# KiCad board TAKO_i3.kicad_pcb
title: zensai65_TAKO_i3; rev: v1; company: shoonie
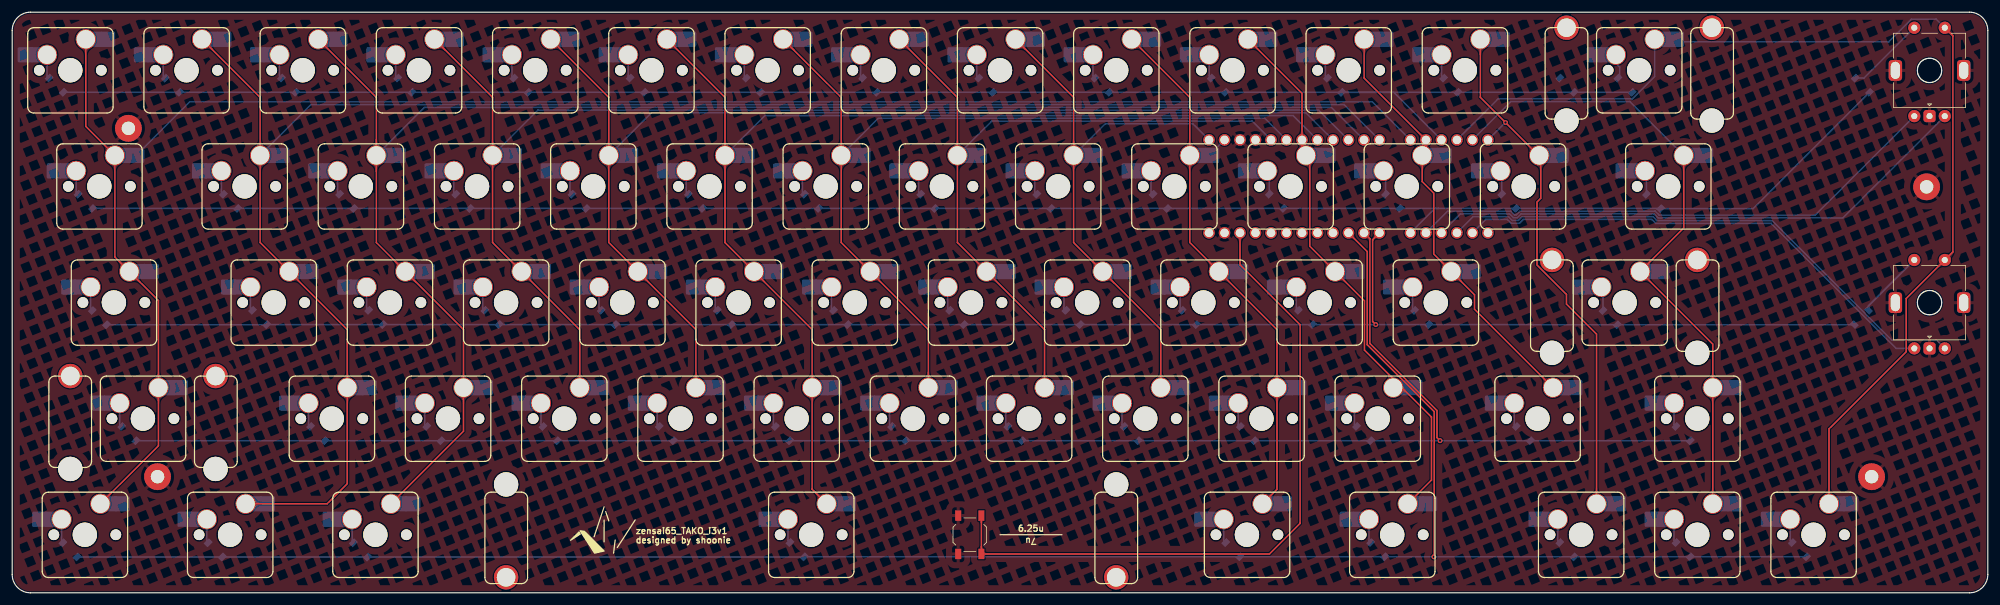
[diagram p0: board, top side]
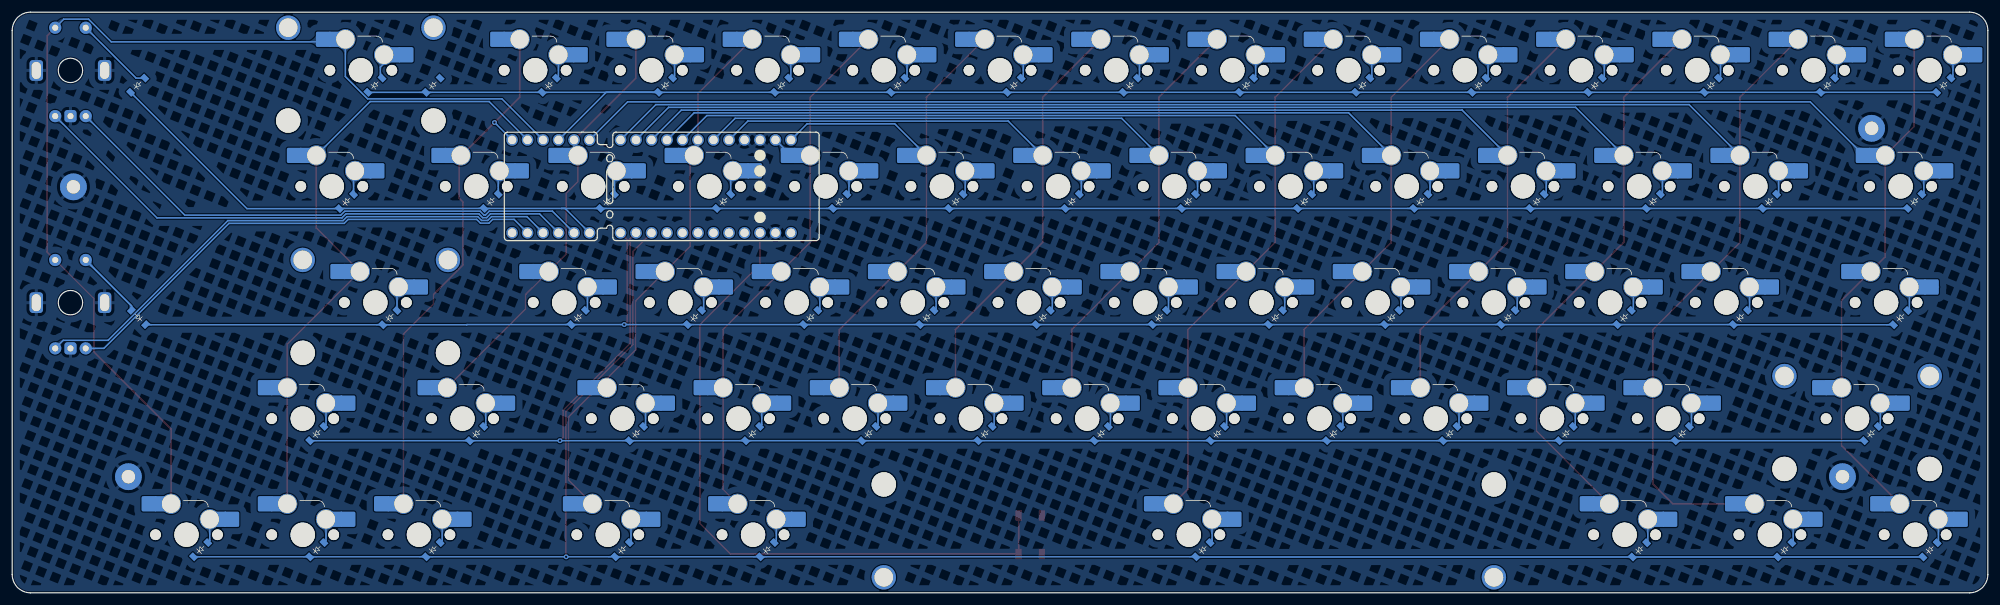
[diagram p1: board, bottom side, seen from below]

Outline 323.85 x 95.25 mm; copper layers: Top, Bottom. Coordinates in mm from the lower left corner of the outline.
Outline path: circle c314.3,85.7 r2 ; circle c314.3,47.6 r2 ; 0,92.25 0,3 arc(0.88,0.88) 3,0 320.85,0 arc(322.97,0.88) 323.85,3 323.85,92.25 arc(322.97,94.37) 320.85,95.25 3,95.25 arc(0.88,94.37) 0,92.25
Stack: Top 0.035mm / dielectric 1.51mm FR4 er 4.5 / Bottom 0.035mm

## Placement (name value [footprint] x y rotation side)
D1  D_Small  [D_SOD-123_CLEAN]  7.14 83.34 315 bottom
D2  D_Small  [D_SOD-123_CLEAN]  26.19 83.34 315 bottom
D3  D_Small  [D_SOD-123_CLEAN]  45.24 83.34 315 bottom
D4  D_Small  [D_SOD-123_CLEAN]  64.29 83.34 315 bottom
D5  D_Small  [D_SOD-123_CLEAN]  83.34 83.34 315 bottom
D6  D_Small  [D_SOD-123_CLEAN]  102.39 83.34 315 bottom
D7  D_Small  [D_SOD-123_CLEAN]  121.44 83.34 315 bottom
D8  D_Small  [D_SOD-123_CLEAN]  140.49 83.34 315 bottom
D9  D_Small  [D_SOD-123_CLEAN]  159.54 83.34 315 bottom
D10  D_Small  [D_SOD-123_CLEAN]  178.59 83.34 315 bottom
D11  D_Small  [D_SOD-123_CLEAN]  197.64 83.34 315 bottom
D12  D_Small  [D_SOD-123_CLEAN]  216.69 83.34 315 bottom
D13  D_Small  [D_SOD-123_CLEAN]  235.74 83.34 315 bottom
D14  D_Small  [D_SOD-123_CLEAN]  254.79 83.34 315 bottom
D15  D_Small  [D_SOD-123_CLEAN]  264.32 83.34 315 bottom
D17  D_Small  [D_SOD-123_CLEAN]  11.91 64.29 315 bottom
D18  D_Small  [D_SOD-123_CLEAN]  35.72 64.29 315 bottom
D19  D_Small  [D_SOD-123_CLEAN]  54.77 64.29 315 bottom
D20  D_Small  [D_SOD-123_CLEAN]  73.82 64.29 315 bottom
D21  D_Small  [D_SOD-123_CLEAN]  92.87 64.29 315 bottom
D22  D_Small  [D_SOD-123_CLEAN]  111.92 64.29 315 bottom
D23  D_Small  [D_SOD-123_CLEAN]  130.97 64.29 315 bottom
D24  D_Small  [D_SOD-123_CLEAN]  150.02 64.29 315 bottom
D25  D_Small  [D_SOD-123_CLEAN]  169.07 64.29 315 bottom
D26  D_Small  [D_SOD-123_CLEAN]  188.12 64.29 315 bottom
D27  D_Small  [D_SOD-123_CLEAN]  207.17 64.29 315 bottom
D28  D_Small  [D_SOD-123_CLEAN]  226.22 64.29 315 bottom
D29  D_Small  [D_SOD-123_CLEAN]  245.27 64.29 315 bottom
D31  D_Small  [D_SOD-123_CLEAN]  268.99 64.26 315 bottom
D32  D_Small  [D_SOD-123_CLEAN]  303.21 83.34 315 bottom
D33  D_Small  [D_SOD-123_CLEAN]  14.22 45.21 315 bottom
D35  D_Small  [D_SOD-123_CLEAN]  40.48 45.24 315 bottom
D36  D_Small  [D_SOD-123_CLEAN]  59.53 45.24 315 bottom
D37  D_Small  [D_SOD-123_CLEAN]  78.58 45.24 315 bottom
D38  D_Small  [D_SOD-123_CLEAN]  97.63 45.24 315 bottom
D39  D_Small  [D_SOD-123_CLEAN]  116.68 45.24 315 bottom
D40  D_Small  [D_SOD-123_CLEAN]  135.73 45.24 315 bottom
D41  D_Small  [D_SOD-123_CLEAN]  154.78 45.24 315 bottom
D42  D_Small  [D_SOD-123_CLEAN]  173.83 45.24 315 bottom
D43  D_Small  [D_SOD-123_CLEAN]  192.88 45.24 315 bottom
D44  D_Small  [D_SOD-123_CLEAN]  211.93 45.24 315 bottom
D45  D_Small  [D_SOD-123_CLEAN]  230.98 45.24 315 bottom
D46  D_Small  [D_SOD-123_CLEAN]  261.87 45.21 315 bottom
D48  D_Small  [D_SOD-123_CLEAN]  303.21 45.24 225 bottom
D49  D_Small  [D_SOD-123_CLEAN]  19.05 26.19 315 bottom
D50  D_Small  [D_SOD-123_CLEAN]  50.01 26.19 315 bottom
D51  D_Small  [D_SOD-123_CLEAN]  69.06 26.19 315 bottom
D52  D_Small  [D_SOD-123_CLEAN]  88.11 26.19 315 bottom
D53  D_Small  [D_SOD-123_CLEAN]  107.16 26.19 315 bottom
D54  D_Small  [D_SOD-123_CLEAN]  126.21 26.19 315 bottom
D55  D_Small  [D_SOD-123_CLEAN]  145.26 26.19 315 bottom
D56  D_Small  [D_SOD-123_CLEAN]  164.31 26.19 315 bottom
D57  D_Small  [D_SOD-123_CLEAN]  183.36 26.19 315 bottom
D58  D_Small  [D_SOD-123_CLEAN]  202.41 26.19 315 bottom
D59  D_Small  [D_SOD-123_CLEAN]  221.46 26.19 315 bottom
D60  D_Small  [D_SOD-123_CLEAN]  247.65 26.19 315 bottom
D61  D_Small  [D_SOD-123_CLEAN]  273.84 26.19 315 bottom
D62  D_Small  [D_SOD-123_CLEAN]  9.4 7.11 315 bottom
D64  D_Small  [D_SOD-123_CLEAN]  33.21 7.11 315 bottom
D66  D_Small  [D_SOD-123_CLEAN]  57.02 7.11 315 bottom
D68  D_Small  [D_SOD-123_CLEAN]  128.59 7.14 315 bottom
D70  D_Small  [D_SOD-123_CLEAN]  200.03 7.14 315 bottom
D72  D_Small  [D_SOD-123_CLEAN]  223.77 7.14 315 bottom
D73  D_Small  [D_SOD-123_CLEAN]  254.79 7.14 315 bottom
D74  D_Small  [D_SOD-123_CLEAN]  273.84 7.14 315 bottom
D75  D_Small  [D_SOD-123_CLEAN]  292.89 7.14 315 bottom
H1  MountingHole_Pad  [MountingHole_2.2mm_M2_Pad]  19.05 76.2 0 top
H2  MountingHole_Pad  [MountingHole_2.2mm_M2_Pad]  23.83 19.05 0 top
H3  MountingHole_Pad  [MountingHole_2.2mm_M2_Pad]  313.81 66.6 0 top
H4  MountingHole_Pad  [MountingHole_2.2mm_M2_Pad]  304.8 19.05 0 top
MX1  MX_SW_HS  [SW_MX_HS_S_1u_MOD]  9.53 85.72 180 bottom
MX2  MX_SW_HS  [SW_MX_HS_S_1u_MOD]  28.58 85.72 180 bottom
MX3  MX_SW_HS  [SW_MX_HS_S_1u_MOD]  47.63 85.72 180 bottom
MX4  MX_SW_HS  [SW_MX_HS_S_1u_MOD]  66.68 85.72 180 bottom
MX5  MX_SW_HS  [SW_MX_HS_S_1u_MOD]  85.73 85.72 180 bottom
MX6  MX_SW_HS  [SW_MX_HS_S_1u_MOD]  104.78 85.72 180 bottom
MX7  MX_SW_HS  [SW_MX_HS_S_1u_MOD]  123.83 85.72 180 bottom
MX8  MX_SW_HS  [SW_MX_HS_S_1u_MOD]  142.88 85.72 180 bottom
MX9  MX_SW_HS  [SW_MX_HS_S_1u_MOD]  161.93 85.72 180 bottom
MX10  MX_SW_HS  [SW_MX_HS_S_1u_MOD]  180.98 85.72 180 bottom
MX11  MX_SW_HS  [SW_MX_HS_S_1u_MOD]  200.03 85.72 180 bottom
MX12  MX_SW_HS  [SW_MX_HS_S_1u_MOD]  219.08 85.72 180 bottom
MX13  MX_SW_HS  [SW_MX_HS_S_1u_MOD]  238.13 85.72 180 bottom
MX15  MX_SW_HS  [SW_MX_HS_S_1u_MOD]  266.7 85.72 180 bottom
MX17  MX_SW_HS  [SW_MX_HS_S_1u_MOD]  14.29 66.67 180 bottom
MX18  MX_SW_HS  [SW_MX_HS_S_1u_MOD]  38.1 66.67 180 bottom
MX19  MX_SW_HS  [SW_MX_HS_S_1u_MOD]  57.15 66.67 180 bottom
MX20  MX_SW_HS  [SW_MX_HS_S_1u_MOD]  76.2 66.67 180 bottom
MX21  MX_SW_HS  [SW_MX_HS_S_1u_MOD]  95.25 66.67 180 bottom
MX22  MX_SW_HS  [SW_MX_HS_S_1u_MOD]  114.3 66.67 180 bottom
MX23  MX_SW_HS  [SW_MX_HS_S_1u_MOD]  133.35 66.67 180 bottom
MX24  MX_SW_HS  [SW_MX_HS_S_1u_MOD]  152.4 66.67 180 bottom
MX25  MX_SW_HS  [SW_MX_HS_S_1u_MOD]  171.45 66.67 180 bottom
MX26  MX_SW_HS  [SW_MX_HS_S_1u_MOD]  190.5 66.67 180 bottom
MX27  MX_SW_HS  [SW_MX_HS_S_1u_MOD]  209.55 66.67 180 bottom
MX28  MX_SW_HS  [SW_MX_HS_S_1u_MOD]  228.6 66.67 180 bottom
MX29  MX_SW_HS  [SW_MX_HS_S_1u_MOD]  247.78 66.67 180 bottom
MX30  MX_SW_HS  [SW_MX_HS_S_1u_MOD]  271.46 66.67 180 bottom
MX33  MX_SW_HS  [SW_MX_HS_S_1u_MOD]  16.67 47.62 180 bottom
MX34  MX_SW_HS  [SW_MX_HS_S_1u_MOD]  42.86 47.62 180 bottom
MX35  MX_SW_HS  [SW_MX_HS_S_1u_MOD]  61.91 47.62 180 bottom
MX36  MX_SW_HS  [SW_MX_HS_S_1u_MOD]  80.96 47.62 180 bottom
MX37  MX_SW_HS  [SW_MX_HS_S_1u_MOD]  100.01 47.62 180 bottom
MX38  MX_SW_HS  [SW_MX_HS_S_1u_MOD]  119.06 47.62 180 bottom
MX39  MX_SW_HS  [SW_MX_HS_S_1u_MOD]  138.11 47.62 180 bottom
MX40  MX_SW_HS  [SW_MX_HS_S_1u_MOD]  157.16 47.62 180 bottom
MX41  MX_SW_HS  [SW_MX_HS_S_1u_MOD]  176.21 47.62 180 bottom
MX42  MX_SW_HS  [SW_MX_HS_S_1u_MOD]  195.26 47.62 180 bottom
MX43  MX_SW_HS  [SW_MX_HS_S_1u_MOD]  214.31 47.62 180 bottom
MX44  MX_SW_HS  [SW_MX_HS_S_1u_MOD]  233.36 47.62 180 bottom
MX46  MX_SW_HS  [SW_MX_HS_S_1u_MOD]  264.32 47.62 180 bottom
MX47  MX_SW_HS  [SW_MX_HS_S_1u_MOD]  21.43 28.58 180 bottom
MX48  MX_SW_HS  [SW_MX_HS_S_1u_MOD]  52.39 28.58 180 bottom
MX49  MX_SW_HS  [SW_MX_HS_S_1u_MOD]  71.44 28.58 180 bottom
MX50  MX_SW_HS  [SW_MX_HS_S_1u_MOD]  90.49 28.58 180 bottom
MX51  MX_SW_HS  [SW_MX_HS_S_1u_MOD]  109.54 28.58 180 bottom
MX52  MX_SW_HS  [SW_MX_HS_S_1u_MOD]  128.59 28.58 180 bottom
MX53  MX_SW_HS  [SW_MX_HS_S_1u_MOD]  147.64 28.58 180 bottom
MX54  MX_SW_HS  [SW_MX_HS_S_1u_MOD]  166.69 28.58 180 bottom
MX55  MX_SW_HS  [SW_MX_HS_S_1u_MOD]  185.74 28.58 180 bottom
MX56  MX_SW_HS  [SW_MX_HS_S_1u_MOD]  204.79 28.58 180 bottom
MX57  MX_SW_HS  [SW_MX_HS_S_1u_MOD]  223.84 28.58 180 bottom
MX58  MX_SW_HS  [SW_MX_HS_S_1u_MOD]  250.03 28.58 180 bottom
MX59  MX_SW_HS  [SW_MX_HS_S_1u_MOD]  276.23 28.58 180 bottom
MX60  MX_SW_HS  [SW_MX_HS_S_1u_MOD]  11.91 9.53 180 bottom
MX62  MX_SW_HS  [SW_MX_HS_S_1u_MOD]  35.72 9.53 180 bottom
MX64  MX_SW_HS  [SW_MX_HS_S_1u_MOD]  59.53 9.53 180 bottom
MX66  MX_SW_HS  [SW_MX_HS_S_1u_MOD]  130.97 9.53 180 bottom
MX68  MX_SW_HS  [SW_MX_HS_S_1u_MOD]  202.41 9.53 180 bottom
MX70  MX_SW_HS  [SW_MX_HS_S_1u_MOD]  226.22 9.53 180 bottom
MX71  MX_SW_HS  [SW_MX_HS_S_1u_MOD]  257.18 9.53 180 bottom
MX72  MX_SW_HS  [SW_MX_HS_S_1u_MOD]  276.23 9.53 180 bottom
MX73  MX_SW_HS  [SW_MX_HS_S_1u_MOD]  295.28 9.53 180 bottom
REF**  -  [bottom_row_guide]  167.01 9.53 0 top
REF**#2  -  [info]  102.11 9.4 0 top
S1  MX_stab  [STAB_MX_P_2u]  266.7 85.72 0 top
S3  MX_stab  [STAB_MX_P_2u]  264.32 47.62 0 top
S4  MX_stab  [STAB_MX_P_2u]  21.43 28.58 0 top
S5  MX_stab  [STAB_MX_P_6.25u]  130.97 9.53 180 top
SW1  RotaryEncoder_Switch  [ROT_Alps_EC11E-Switch]  314.3 85.7 0 top
SW2  RotaryEncoder_Switch  [ROT_Alps_EC11E-Switch]  314.3 47.6 0 top
SW76  SW_Push_45deg  [SW_SPST_TL3342]  156.97 9.53 270 top
U1  Bonsai-C4-extended  [Bonsai_C4_extended_THT]  209.55 66.67 270 bottom

## Library data of the parts
D1-D15 D17-D29 D31-D33 D35-D46 D48-D62 D64 D66 D68 D70 D72-D75 = -: Description: Diode, small symbol; Sim.Device: D; Sim.Pins: 1=K 2=A
H1-H4 = -: Description: Mounting Hole with connection
MX1-MX13 MX15 MX17-MX30 MX33-MX44 MX46-MX60 MX62 MX64 MX66 MX68 MX70-MX73 SW76 = -: Description: Push button switch, normally open, two pins, 45° tilted
S1 S3-S5 = -: Description: Cherry MX-style stabilizer
SW1 SW2 = -: Description: Rotary encoder, dual channel, incremental quadrate outputs, with switch

## Footprints (pads in the part's own frame, mm; a bottom-side part is the same pattern mirrored in y, then rotated)
Bonsai_C4_extended_THT
  round 1.89 hole 1.39: 1(-7.62,13.36) 2(-7.62,10.82) 3(-7.62,8.28) 4(-7.62,5.74) 5(-7.62,3.2) 6(-7.62,0.66) 7(-7.62,-1.88) 8(-7.62,-4.42) 9(-7.62,-6.96) 10(-7.62,-9.5) 11(-7.62,-12.04) 12(-7.62,-14.58) 17(7.62,13.36) 18(7.62,10.82) 19(7.62,8.28) 20(7.62,5.74) 21(7.62,3.2) 22(7.62,0.66) 23(7.62,-1.88) 24(7.62,-6.96) 25(7.62,-4.42) 26(7.62,-9.5) 27(7.62,-12.04) 28(7.62,-14.58) 29(-7.62,-19.66) 30(-7.62,-22.2) 31(-7.62,-24.74) 32(-7.62,-27.28) 33(-7.62,-29.82) 34(-7.62,-32.36) 35(7.62,-19.66) 36(7.62,-22.2) 37(7.62,-24.74) 38(7.62,-27.28) 39(7.62,-29.82) 40(7.62,-32.36)
D_SOD-123_CLEAN
  rect 0.9x1.2 smd: 1(1.75,0) 2(-1.55,0)
MountingHole_2.2mm_M2_Pad
  round 4.4 hole 2.2: 1(0,0)
ROT_Alps_EC11E-Switch
  round 2 hole 1: A(-2.5,-7.5) B(2.5,-7.5) S1(2.5,7) S2(-2.5,7)
  rrect 2x2 hole 1: C(0,-7.5)
  rrect 2.2x3.4 hole 1.5x2.8: MP(-5.6,0) MP(5.6,0)
STAB_MX_P_2u
  round 4 hole 3.048: (-11.906,6.985) (11.906,6.985)
  round 3.988 hole 3.988 unplated: (-11.906,-8.255) (11.906,-8.255)
STAB_MX_P_6.25u
  round 4 hole 3.048: (-50.006,6.985) (50.006,6.985)
  round 3.988 hole 3.988 unplated: (-50.006,-8.255) (50.006,-8.255)
SW_MX_HS_S_1u_MOD
  round 1.75 hole 1.75 unplated: (-5.08,0) (5.08,0)
  round 3.988 hole 3.988 unplated: (0,0)
  round 3.3 hole 3: 1(3.81,2.54) 2(-2.54,5.08)
  rect 1.65x2.5 smd: 1(5.635,2.54) 2(-4.34,5.08)
  rrect 2.55x2.5 smd: 1(7.36,2.54) 2(-6.09,5.08)
SW_SPST_TL3342
  rect 1.7x1 smd: 1(-3.15,1.9) 1(3.15,1.9) 2(-3.15,-1.9) 2(3.15,-1.9)

## Nets
GND: H1.1 H2.1 H3.1 H4.1 SW1.C SW1.MP SW2.C SW2.MP SW76.2 U1.3 U1.4 U1.18
COL0: MX1.2 MX17.2 MX33.2 MX47.2 MX60.2 U1.29
COL1: MX2.2 MX18.2 MX34.2 MX48.2 MX62.2 U1.12
COL2: MX3.2 MX19.2 MX35.2 MX49.2 MX64.2 U1.11
COL3: MX4.2 MX20.2 MX36.2 MX50.2 U1.10
COL4: MX5.2 MX21.2 MX37.2 MX51.2 U1.9
COL5: MX6.2 MX22.2 MX38.2 MX52.2 MX66.2 U1.8
COL6: MX7.2 MX23.2 MX39.2 MX53.2 U1.6
COL7: MX8.2 MX24.2 MX40.2 MX54.2 U1.5
COL8: MX9.2 MX25.2 MX41.2 MX55.2 U1.1
COL9: MX10.2 MX26.2 MX42.2 MX56.2 MX68.2 U1.2
COL10: MX11.2 MX27.2 MX43.2 MX57.2 MX70.2 U1.7
COL11: MX12.2 MX28.2 MX44.2 MX58.2 U1.30
COL12: MX13.2 MX29.2 MX71.2 U1.34
COL13: MX30.2 MX46.2 MX59.2 MX72.2 U1.33
COL14: MX15.2 MX73.2 SW1.S1 SW2.S1 U1.32
ROW0: D1.1 D2.1 D3.1 D4.1 D5.1 D6.1 D7.1 D8.1 D9.1 D10.1 D11.1 D12.1 D13.1 D14.1 D15.1 U1.31
ROW1: D17.1 D18.1 D19.1 D20.1 D21.1 D22.1 D23.1 D24.1 D25.1 D26.1 D27.1 D28.1 D29.1 D31.1 D32.1 U1.35
ROW2: D33.1 D35.1 D36.1 D37.1 D38.1 D39.1 D40.1 D41.1 D42.1 D43.1 D44.1 D45.1 D46.1 D48.1 U1.28
ROW3: D49.1 D50.1 D51.1 D52.1 D53.1 D54.1 D55.1 D56.1 D57.1 D58.1 D59.1 D60.1 D61.1 U1.27
ROW4: D62.1 D64.1 D66.1 D68.1 D70.1 D72.1 D73.1 D74.1 D75.1 U1.26
SW32A: SW1.A U1.36
SW32B: SW1.B U1.37
SW48A: SW2.A U1.39
SW48B: SW2.B U1.38
Net-(D1-A): D1.2 MX1.1
Net-(D2-A): D2.2 MX2.1
Net-(D3-A): D3.2 MX3.1
Net-(D4-A): D4.2 MX4.1
Net-(D5-A): D5.2 MX5.1
Net-(D6-A): D6.2 MX6.1
Net-(D7-A): D7.2 MX7.1
Net-(D8-A): D8.2 MX8.1
Net-(D9-A): D9.2 MX9.1
Net-(D10-A): D10.2 MX10.1
Net-(D11-A): D11.2 MX11.1
Net-(D12-A): D12.2 MX12.1
Net-(D13-A): D13.2 MX13.1
Net-(D14-A): D14.2
Net-(D15-A): D15.2 MX15.1
Net-(D17-A): D17.2 MX17.1
Net-(D18-A): D18.2 MX18.1
Net-(D19-A): D19.2 MX19.1
Net-(D20-A): D20.2 MX20.1
Net-(D21-A): D21.2 MX21.1
Net-(D22-A): D22.2 MX22.1
Net-(D23-A): D23.2 MX23.1
Net-(D24-A): D24.2 MX24.1
Net-(D25-A): D25.2 MX25.1
Net-(D26-A): D26.2 MX26.1
Net-(D27-A): D27.2 MX27.1
Net-(D28-A): D28.2 MX28.1
Net-(D29-A): D29.2 MX29.1
Net-(D30-A): D31.2 MX30.1
Net-(D32-A): D32.2 SW1.S2
Net-(D33-A): D33.2 MX33.1
Net-(D35-A): D35.2 MX34.1
Net-(D36-A): D36.2 MX35.1
Net-(D37-A): D37.2 MX36.1
Net-(D38-A): D38.2 MX37.1
Net-(D39-A): D39.2 MX38.1
Net-(D40-A): D40.2 MX39.1
Net-(D41-A): D41.2 MX40.1
Net-(D42-A): D42.2 MX41.1
Net-(D43-A): D43.2 MX42.1
Net-(D44-A): D44.2 MX43.1
Net-(D45-A): D45.2 MX44.1
Net-(D46-A): D46.2 MX46.1
Net-(D48-A): D48.2 SW2.S2
Net-(D49-A): D49.2 MX47.1
Net-(D50-A): D50.2 MX48.1
Net-(D51-A): D51.2 MX49.1
Net-(D52-A): D52.2 MX50.1
Net-(D53-A): D53.2 MX51.1
Net-(D54-A): D54.2 MX52.1
Net-(D55-A): D55.2 MX53.1
Net-(D56-A): D56.2 MX54.1
Net-(D57-A): D57.2 MX55.1
Net-(D58-A): D58.2 MX56.1
Net-(D59-A): D59.2 MX57.1
Net-(D60-A): D60.2 MX58.1
Net-(D61-A): D61.2 MX59.1
Net-(D62-A): D62.2 MX60.1
Net-(D64-A): D64.2 MX62.1
Net-(D66-A): D66.2 MX64.1
Net-(D68-A): D68.2 MX66.1
Net-(D70-A): D70.2 MX68.1
Net-(D71-A): D72.2 MX70.1
Net-(D73-A): D73.2 MX71.1
Net-(D74-A): D74.2 MX72.1
Net-(D75-A): D75.2 MX73.1
Net-(U1-DFU): SW76.1 U1.19

Pads without a net: U1 17 20 21 22 23 24 25 40

## Via types
v1: diameter 0.8, hole 0.4, Top to Bottom, 4 vias

## Routing (per net, layer and track width the routed paths; a pad name or vN(x,y) marks a point on that pad's centre or on a via; arc(x,y) is an arc through that point)
COL0: length 301.7
  Top w0.25: 12.07,90.81 12.07,76.52 16.83,71.75 16.83,55.09 MX33.2 23.97,47.94 MX47.2 23.97,24.13 MX60.2
  Bottom w0.25: 16.83,71.75 18.45,71.75 ; 20.38,71.81 29.1,80.54 222.97,80.54 U1.29
COL1: length 290.1
  Top w0.25: MX62.2 51.62,14.61 54.93,17.92 MX48.2 54.93,43.18 MX34.2 40.64,57.47 40.64,81.28 MX2.2
  Bottom w0.25: U1.12 218.34,80.09 48.97,80.09 40.64,71.75
COL2: length 258.4
  Top w0.25: MX3.2 59.69,81.28 59.69,57.47 MX35.2 73.98,43.18 MX49.2 73.98,26.51 MX64.2
  Bottom w0.25: U1.11 216.25,79.64 67.57,79.64 59.69,71.75
COL3: length 212.4
  Top w0.25: MX50.2 93.03,43.18 MX36.2 78.74,57.47 78.74,81.28 MX4.2
  Bottom w0.25: 78.74,71.75 86.17,79.19 214.16,79.19 U1.10
COL4: length 190.5
  Top w0.25: MX51.2 112.08,43.18 MX37.2 97.79,57.47 97.79,81.28 MX5.2
  Bottom w0.25: U1.9 212.07,78.74 104.77,78.74 97.79,71.75
COL5: length 188.5
  Top w0.25: MX6.2 116.84,81.28 116.84,57.47 MX38.2 131.13,43.18 MX52.2 131.13,16.99 MX66.2
  Bottom w0.25: 116.84,71.75 123.37,78.29 209.98,78.29 U1.8
COL6: length 144
  Top w0.25: MX53.2 150.18,43.18 MX39.2 135.89,57.47 135.89,81.28 126.37,90.81
  Bottom w0.25: U1.6 205.35,77.84 141.97,77.84 135.89,71.75
COL7: length 122
  Top w0.25: MX8.2 154.94,81.28 154.94,57.47 MX40.2 169.23,43.18 MX54.2
  Bottom w0.25: U1.5 203.26,77.39 160.57,77.39 154.94,71.75
COL8: length 92.5
  Top w0.25: MX55.2 188.28,43.18 MX41.2 173.99,57.47 173.99,81.28 MX9.2
  Bottom w0.25: U1.1 193.55,76.94 179.17,76.94 173.99,71.75
COL9: length 93.8
  Top w0.25: MX10.2 193.04,81.28 193.04,57.47 MX42.2 207.33,43.18 MX56.2 207.33,16.99 MX68.2
  Bottom w0.25: 193.04,71.75 196.19,71.75 U1.2
COL10: length 86.7
  Top w0.25: MX70.2 232.65,18.5 232.65,28.83 227.83,33.66 ; MX43.2 212.7,56.86 212.7,71.15 ; MX11.2 211.43,81.94 U1.7 211.43,72.42 212.09,71.75 ; 217.33,52.23 221.66,47.9 221.66,39.82 226.38,35.1
COL11: length 69.6
  Top w0.25: 221.62,90.81 221.62,84.43 U1.30 231.75,72.36 ; MX58.2 239.71,46.51 239.71,48.9 MX44.2 233.02,55.59 233.02,65.57 231.14,67.45 231.14,71.75
COL12: length 87.4
  Top w0.25: MX13.2 240.67,81.28 v1(244.79,77.15) 250.19,71.75 ; 259.72,14.61 259.72,42.44 254.78,47.37 254.78,48.95 249.96,53.77 249.96,64.11 250.57,64.72 250.57,70.61
  Bottom w0.25: 241.91,74.3 244.77,77.15 v1(244.79,77.15)
COL13: length 105.9
  Top w0.25: 274,71.75 274,59.85 MX46.2 278.77,40.8 278.77,14.61
  Bottom w0.25: 239.37,74.3 245.66,80.59 265.17,80.59 274,71.75
COL14: length 175.6
  Top w0.25: MX73.2 297.82,26.89 310.47,39.55 310.47,48.28 SW2.S1 318.12,55.93 318.12,91.37 SW1.S1
  Bottom w0.25: U1.32 243.57,81.04 265.58,81.04 269.24,84.69 MX15.2 ; 273.21,90.39 307.61,90.39 311.33,94.11 315.39,94.11 SW1.S1
ROW0: length 276.8
  Bottom w0.25: D12.1 D13.1 D14.1 D15.1 ; D12.1 D11.1 D10.1 D9.1 D8.1 D7.1 D6.1 D5.1 D4.1 D3.1 D2.1 D1.1 ; D12.1 226.48,82.11 U1.31
ROW1: length 305.4
  Bottom w0.25: 233.81,63.06 D29.1 270.19,63.06 ; 233.81,63.06 D28.1 D27.1 D26.1 D25.1 D24.1 D23.1 D22.1 D21.1 D20.1 D19.1 D18.1 D17.1 ; 233.81,63.06 233.21,63.06 U1.35 ; D32.1 285.37,63.02 D31.1
ROW2: length 302.2
  Top w0.25: v1(223.52,44.01) 223.01,44.51 223.01,57.94 U1.28
  Bottom w0.25: D33.1 41.69,43.97 ; 301.94,43.97 D46.1 249.33,43.97 249.3,44.01 D45.1 v1(223.52,44.01) D44.1 D43.1 D42.1 D41.1 D40.1 D39.1 D38.1 D37.1 D36.1 D35.1
ROW3: length 294.1
  Top w0.25: U1.27 222.56,58.08 222.56,40.9 233.55,29.91 233.55,25.46 v1(234.06,24.96)
  Bottom w0.25: D61.1 D60.1 D59.1 D58.1 D57.1 D56.1 D55.1 D54.1 D53.1 D52.1 D51.1 D50.1 D49.1
ROW4: length 342.5
  Top w0.25: v1(233.05,5.91) 233.1,5.96 233.1,29.72 222.11,40.71 222.11,55.99 U1.26
  Bottom w0.25: D62.1 D66.1 129.79,5.87 D68.1 D70.1 D72.1 D73.1 D74.1 D75.1
SW32A: length 89
  Bottom w0.25: U1.36 235.3,62.61 245.65,62.61 246.27,61.99 246.53,61.99 247.15,62.61 269.33,62.61 269.98,61.96 295.56,61.96 SW1.A
SW32B: length 91.5
  Bottom w0.25: U1.37 237.39,62.16 245.46,62.16 246.08,61.54 246.72,61.54 247.34,62.16 269.15,62.16 269.8,61.51 300.11,61.51 SW1.B
SW48A: length 82.6
  Bottom w0.25: U1.39 241.57,61.26 245.09,61.26 245.71,60.64 247.09,60.64 247.71,61.26 268.77,61.26 269.42,60.61 288.31,60.61 308.82,40.1 SW2.A
SW48B: length 90.5
  Bottom w0.25: U1.38 239.48,61.71 245.28,61.71 245.89,61.09 246.91,61.09 247.52,61.71 268.96,61.71 269.61,61.06 288.5,61.06 308.13,41.43 315.47,41.43 SW2.B
Net-(D1-A): length 4
  Bottom w0.25: D1.2 5.72,84.77 MX1.1
Net-(D2-A): length 4
  Bottom w0.25: MX2.1 24.77,84.77 D2.2
Net-(D3-A): length 4
  Bottom w0.25: D3.2 43.82,84.77 MX3.1
Net-(D4-A): length 4
  Bottom w0.25: MX4.1 62.87,84.77 D4.2
Net-(D5-A): length 4
  Bottom w0.25: D5.2 81.92,84.77 81.92,88.27
Net-(D6-A): length 4
  Bottom w0.25: D6.2 100.97,84.77 MX6.1
Net-(D7-A): length 4
  Bottom w0.25: D7.2 120.02,84.77 MX7.1
Net-(D8-A): length 4
  Bottom w0.25: MX8.1 139.07,84.77 D8.2
Net-(D9-A): length 4
  Bottom w0.25: D9.2 158.12,84.77 MX9.1
Net-(D10-A): length 4
  Bottom w0.25: MX10.1 177.17,84.77 D10.2
Net-(D11-A): length 4
  Bottom w0.25: D11.2 196.22,84.77 MX11.1
Net-(D12-A): length 4
  Bottom w0.25: MX12.1 215.27,84.77 D12.2
Net-(D13-A): length 4
  Bottom w0.25: MX13.1 234.32,84.77 D13.2
Net-(D15-A): length 2.4
  Bottom w0.25: 263.51,84.72 263.51,86.24 262.89,86.86
Net-(D17-A): length 4
  Bottom w0.25: D17.2 10.48,65.72 MX17.1
Net-(D18-A): length 4
  Bottom w0.25: D18.2 34.29,65.72 MX18.1
Net-(D19-A): length 4
  Bottom w0.25: MX19.1 53.34,65.72 D19.2
Net-(D20-A): length 4
  Bottom w0.25: MX20.1 72.39,65.72 D20.2
Net-(D21-A): length 4
  Bottom w0.25: D21.2 91.44,65.72 MX21.1
Net-(D22-A): length 4
  Bottom w0.25: MX22.1 110.49,65.72 D22.2
Net-(D23-A): length 4
  Bottom w0.25: D23.2 129.54,65.72 MX23.1
Net-(D24-A): length 4
  Bottom w0.25: MX24.1 148.59,65.72 D24.2
Net-(D25-A): length 4
  Bottom w0.25: MX25.1 167.64,65.72 D25.2
Net-(D26-A): length 4
  Bottom w0.25: MX26.1 186.69,65.72 D26.2
Net-(D27-A): length 3.5
  Bottom w0.25: D27.2 206.07,68.88
Net-(D28-A): length 3.5
  Bottom w0.25: D28.2 225.12,68.88
Net-(D29-A): length 3.5
  Bottom w0.25: D29.2 244.17,68.88
Net-(D30-A): length 4
  Bottom w0.25: MX30.1 267.89,68.98 D31.2
Net-(D32-A): length 12.4
  Bottom w0.25: D32.2 303.54,84.44 311.28,92.19
Net-(D33-A): length 8.7
  Bottom w0.25: 8.1,50.16 MX33.1 12.86,46.58 D33.2
Net-(D35-A): length 4
  Bottom w0.25: D35.2 39.05,46.67 MX34.1
Net-(D36-A): length 4
  Bottom w0.25: MX35.1 58.1,46.67 D36.2
Net-(D37-A): length 4
  Bottom w0.25: MX36.1 77.15,46.67 D37.2
Net-(D38-A): length 4
  Bottom w0.25: MX37.1 96.2,46.67 D38.2
Net-(D39-A): length 4
  Bottom w0.25: D39.2 115.25,46.67 MX38.1
Net-(D40-A): length 4
  Bottom w0.25: MX39.1 134.3,46.67 D40.2
Net-(D41-A): length 4
  Bottom w0.25: MX40.1 153.35,46.67 D41.2
Net-(D42-A): length 4
  Bottom w0.25: MX41.1 172.4,46.67 D42.2
Net-(D43-A): length 4
  Bottom w0.25: MX42.1 191.45,46.67 D43.2
Net-(D44-A): length 4
  Bottom w0.25: MX43.1 210.5,46.67 D44.2
Net-(D45-A): length 4
  Bottom w0.25: MX44.1 229.55,46.67 D45.2
Net-(D46-A): length 4
  Bottom w0.25: MX46.1 260.78,49.9 D46.2
Net-(D48-A): length 22
  Bottom w0.25: SW2.S2 304.31,47.11 D48.2 304.31,47.08 311.31,54.09
Net-(D49-A): length 4
  Bottom w0.25: 17.62,31.11 17.62,27.62 D49.2
Net-(D50-A): length 4
  Bottom w0.25: 48.58,31.11 48.58,27.62 D50.2
Net-(D51-A): length 4
  Bottom w0.25: D51.2 67.63,27.62 67.63,31.11
Net-(D52-A): length 4
  Bottom w0.25: 86.68,31.11 86.68,27.62 D52.2
Net-(D53-A): length 4
  Bottom w0.25: D53.2 105.73,27.62 105.73,31.11
Net-(D54-A): length 4
  Bottom w0.25: D54.2 124.78,27.62 124.78,31.11
Net-(D55-A): length 4
  Bottom w0.25: 143.83,31.11 143.83,27.62 D55.2
Net-(D56-A): length 4
  Bottom w0.25: 162.88,31.11 162.88,27.62 D56.2
Net-(D57-A): length 4
  Bottom w0.25: 181.93,31.11 181.93,27.62 D57.2
Net-(D58-A): length 4
  Bottom w0.25: D58.2 200.98,27.62 200.98,31.11
Net-(D59-A): length 4
  Bottom w0.25: D59.2 220.03,27.62 220.03,31.11
Net-(D60-A): length 4
  Bottom w0.25: 246.22,31.11 246.22,27.62 D60.2
Net-(D61-A): length 4
  Bottom w0.25: 272.42,31.11 272.42,27.62 D61.2
Net-(D62-A): length 5.6
  Bottom w0.25: 6.47,12.06 MX60.1 8.1,8.41 D62.2
Net-(D64-A): length 5.6
  Bottom w0.25: 30.28,12.06 MX62.1 31.91,8.41 D64.2
Net-(D66-A): length 5.6
  Bottom w0.25: D66.2 55.72,8.41 MX64.1 54.09,12.06
Net-(D68-A): length 4
  Bottom w0.25: MX66.1 127.16,8.57 D68.2
Net-(D70-A): length 4
  Bottom w0.25: MX68.1 198.6,8.57 D70.2
Net-(D71-A): length 3.9
  Bottom w0.25: D72.2 222.41,8.51 MX70.1
Net-(D73-A): length 4
  Bottom w0.25: D73.2 253.37,8.57 MX71.1
Net-(D74-A): length 4
  Bottom w0.25: MX72.1 272.42,8.57 D74.2
Net-(D75-A): length 4
  Bottom w0.25: D75.2 291.47,8.57 MX73.1
Net-(U1-DFU): length 112.4
  Top w0.25: 158.87,12.67 SW76.1 206.1,6.38 211.12,11.39 211.12,43.97 201.27,53.82 U1.19

## Copper pours and planes (outline as drawn; the poured copper is in the pictures)
GND on Top, Bottom: -29.46,138.43 -29.46,-120.65 393.45,-120.65 393.45,139.7

Small or netless copper shapes (teardrops, artwork), in the pictures only: 114 on Top, 301 on Bottom
